# Altium PCB TimeDrive.PcbDoc (part 2 of 4) (continued)
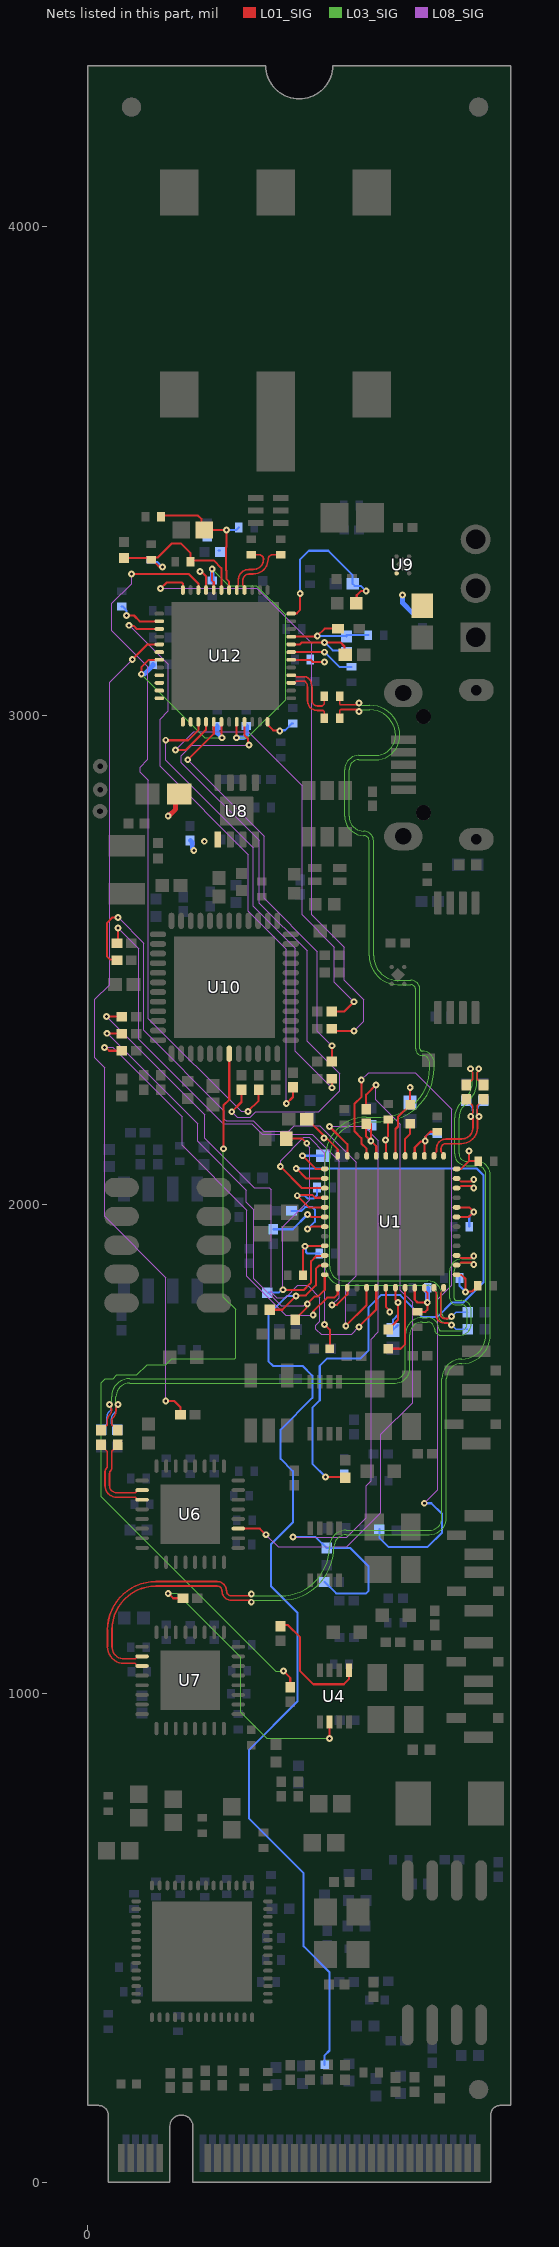
[diagram p10: the nets of this part, all layers, seen from the top]
## Part data (continued)
U9: library part CMP-07128-000018-1, "LDO 700 MA ULTRA-LOW NOI", Dropout Voltage=190mV, Manufacturer="ON Semiconductor", Max Junction Temp=+150°C, Max Supply Voltage=5.5V, Min Supply Voltage=1.9V, Nominal Supply Current=9.7uA, Output Current=700mA, Output Voltage=1.8V, Package=711AJ, Temperature="to +150°C", Accuracy Percentage=2%, Automotive=No, Category=IC, ComponentLink2Description=Datasheet, ComponentLink2URL=https://www.onsemi.com/pub/Collateral/NCP167-D.PDF, Device Class L1="Integrated Circuits (ICs)", Device Class L2="Power Management ICs", Device Class L3="Voltage Regulators - Linear", Digikey Description="LDO 700 MA ULTRA-LOW NOI", Footprint Url=https://www.onsemi.com/pub/Collateral/711AJ.PDF, Height=0.43mm, Lead Free=Yes, Manufacturer Part Number=NCP167AMX180TBG, Number Of Outputs=1, Octopart=https://octopart.com/ncp167amx330tbg-on+semiconductor-85869721, Output Type=Fixed, RoHS=TRUE, Standoff Height=0mm, Temperature Range High=+150°C
U10: library part CMP-06276-000052-1, "IC MCU 32BIT 256KB FLASH 48QFN", Case/Package=QFN, Frequency=48MHz, Max Operating Temperature=85°C, Min Operating Temperature=-40°C, Core Architecture=ARM, Interface=I2C, Memory Size=256KB, Memory Type=FLASH, Number of I/Os=38, Oscillator Type=Internal, Packaging=Tray, Peripherals="Brown-out Detect/Reset"
U11: library part CMP-2100-03583-1, "2-Kbit (256 x 8), 2-wire Serial EEPROM with a Factory-Programmed EUI-64(TM)Address Plus an Embedded Unique 128-bit Serial Number, 1.7 to 5.5 V, -40 to 85 degC, 5-Pin SOT23 (5TS1), Tape and Reel", Case/Package=SOT-23, Frequency=1MHz, Manufacturer=Atmel, Max Operating Temperature=85degC, Max Supply Voltage=5.5V, Min Operating Temperature=-40degC, Min Supply Voltage=1.7V, Nominal Supply Current=3mA, Package Description="5-Pin Plastic Thin Shrink Small Outline Package, Body 2.9 x 1.6 mm, Pitch 0.95 mm", Package Quantity=5000, Package Reference=5TS1, Datasheet URL=http://www.atmel.com/Images/Atmel-8807-SEEPROM-AT24MAC402-602-Datasheet.pdf, Datasheet Version="Rev. 8808E, 01/2015", Manufacturer URL=http://www.atmel.com/, Max Frequency=1MHz, Mount=SurfaceMount, Number of Pins=5, Packaging=TapeandReel, Radiation Hardening=No, RoHSCompliant=true
U13: library part CMP-2000-07459-1, "Multilayer Balun, 3000 to 8000 MHz, -40 to 85 degC, 6-Pin SMD, RoHS, Tape and Reel", Case Code (Imperial)=0805, Case Code (Metric)=2012, Manufacturer=TDK, Max Operating Temperature=85degC, Min Operating Temperature=-40degC, Package Description="6-Pin Surface Mount Device, Body 2 x 1.25 mm, Pitch 0.65 mm", Package Quantity=1, Case\/Package=0805, Datasheet URL=https://product.tdk.com/info/en/documents/data_sheet/rf_balun_hhm1595a1_en.pdf, Datasheet Version=04/2015, Impedance=100Ohm, Insertion Loss=1.5dB, Manufacturer URL=http://www.tdk.com/, Mounting Technology=SurfaceMount, Number of Pins=6, Package Reference=HHM1595A1, Packaging=TapeandReel, Radiation Hardening=No, RoHSCompliant=true, Termination=SMD/SMT
U15: library part CMP-0357-00138-1, "16 Mb (x1/x2) Serial NOR Flash Memory with Dual I/O, 75 MHz, 2.3 to 3.6 V, 8-pin SO8 Wide (MW), Tube", Manufacturer=Micron, Package="SO8 WideÂ", Voltage=2.3V-3.6VÂ, Applications=EmbeddedÂ, ComponentLink1Description="Manufacturer URL", ComponentLink1URL=http://www.micron.com/, ComponentLink2Description=Datasheet, ComponentLink2URL=http://www.micron.com/~/media/Documents/Products/Data%20Sheet/NOR%20Flash/Serial%20NOR/M25P/M25P16.pdf, ComponentLink3Description="Package Specification", ComponentLink3URL=http://www.micron.com/~/media/Documents/Products/Data%20Sheet/NOR%20Flash/Serial%20NOR/M25P/M25P16.pdf, DatasheetVersion="Rev. 8", Density=16MbÂ, Mounting Technology="Surface Mount", PackageDescription="8-Pin SO Wide, 5.62 X 6.05 mm, Pitch 1.27 mm", PackageReference=MICT-MW-8, PackageVersion="Rev 8", Part Family=M25PXÂ, Part Status=ProductionÂ, PartNumber=M25PX16-VMW6G, RoHS=YesÂ, Speed="75 MHzÂ", Type="Dual I/OÂ", Width=x1/x2Â
U16: library part CMP-10118-000002-1, "IC INTERFACE SPECIALIZED 8SO", Case/Package=SO, Low Level Output Current=6mA, Max Frequency=400kHz, Max Operating Temperature=85°C, Max Supply Current=65uA, Max Supply Voltage=5.5V, Min Operating Temperature=-40°C, Min Supply Voltage=2.3V, On-State Resistance=55R, Operating Supply Voltage=5V, Package Quantity=1, Power Dissipation=400mW, Contact Plating=Gold, Height=1.45mm, Interface=I2C, Lead Free="Lead Free", Length=5mm, Logic Function=Multiplexer, Mount="Surface Mount", Number of Input Lines=2, Number Of Inputs=2, Number of Output Lines=1, Number Of Outputs=1, Number of Pins=8, Packaging="Tape and Reel", Propagation Delay=0.3ns, Quiescent Current=65uA, Radiation Hardening=No, Weight=0.01787oz, Width=4mm
U20: library part CMP-0339-00059-2, "Dual In / Single Out Autoswitching Power Mux, 2.8 to 5.5 V, -40 to 85 degC, 8-pin TSSOP (PW), Green (RoHS & no Sb/Br)", IN1 Output Current(Max)(A)=0.75, IN1, IN2 Input Voltage(Max)(V)=5.5, IN1, IN2 Input Voltage(Min)(V)=2.8, Manufacturer="Texas Instruments", Code_JEDEC=MO-153, ComponentLink1Description=Datasheet, ComponentLink1URL=http://www.ti.com/general/docs/lit/getliterature.tsp?genericPartNumber=TPS2110A&fileType=pdf, DatasheetVersion=SBVS043A, Eco-Plan="Green (RoHS & no Sb/Br)", IN1 rDS(on)(Typ)(mOhm)=120, IN2 Output Current(Max)(A)=0.75, IN2 rDS(on)(Typ)(Ohms)=0.12, Mounting Technology="Surface Mount", Number Of Inputs=2, PackageDescription="8-Pin Plastic Thin Small Outline Package 3 x 4.4 mm Body ,0.65 mm Pitch", PackageReference=PW0008A, PackageVersion="revG, Feb-2011", PartNumber=TPS2110APWR, SubFamily="Power Multiplexer (MUX)"
Y1: library part CMP-06858-000005-1, "CRYSTAL 32.0000MHZ 10PF SMD", Case/Package=SMD/SMT, ESR (Equivalent Series Resistance)=100R, Frequency=32MHz, Frequency Stability=10ppm, Load Capacitance=10pF, Max Operating Temperature=70°C, Min Operating Temperature=-20°C, Package Quantity=3000, Contact Plating=Gold, Frequency Tolerance=10ppm, Height=0.022inch, Length=0.079inch, Mount="Surface Mount", Packaging="Tape and Reel", Series Resistance=100R, Termination=SMD/SMT, Tolerance=10ppm, Width=0.063inch
Y2: library part CMP-2000-05733-2, "CRYSTAL 25.0000MHZ 18PF SMD", Frequency=25MHz, Load Capacitance=18pF, Manufacturer=Abracon, Package=ABM8G, Temperature="-40°C to +85°C", Temperature Range High=+85°C, Temperature Range Low=-40°C, Tolerance=20ppm, Automotive=No, Category=Crys, ComponentLink2Description=Datasheet, ComponentLink2URL=https://abracon.com/Resonators/ABM8G.pdf, Device Class L1="Passive Components", Device Class L2="Crystals / Oscillators", Device Class L3=Crystals, Digikey Description="CRYSTAL 25.0000MHZ 18PF SMD", Esr=60Ω, Height=1mm, Lead Free=Yes, Manufacturer Part Number=ABM8G-25.000MHZ-18-D2Y-T, Mouser Description="Crystals 25.000MHz 18pF 30ppm -40C +85C", Octopart=https://octopart.com/abm8g-25.000mhz-18-d2y-t-abracon-12676602, RoHS=TRUE, Series=ABM8G, Stability=30ppm
Y3: library part CMP-0447-00001-3, "CRYSTAL 32.7680KHZ 12.5PF SMD", Case/Package=CSMD, ESR (Equivalent Series Resistance)=70kR, Frequency=32.768kHz, Frequency Tolerance=20ppm, Load Capacitance=12.5pF, Max Operating Temperature=85°C, Min Operating Temperature=-40°C, Operating Frequency="32.768 kHz", Package Quantity=3000, Depth=1.5mm, Height=0.035inch, Lead Free="Lead Free", Length=3.2mm, Number of Pins=2, Packaging="Tape and Reel", Radiation Hardening=No, REACH SVHC="No SVHC", RoHS Compliant=Yes, Series=ABS07, Series Resistance=70kR, Termination=SMD/SMT, Tolerance=20ppm, Width=0.061inch

## Free pads (board coordinates)
  round 30 hole 11.81: 2(25.48,2804.66) 3(25.8,2848.89) 4(25.8,2896.7)
  round 39.37 smd mask+9.84: FID1(90,4245) FID2(800,4245) FID3(800,190) FID3(800,190)
  round 39.37 smd far side mask+9.84: FID4(90,4245) FID5(800,4245) FID6(800,190)

## Via types
v1: diameter 14, hole 6, L01_SIG to L10_SIG, 458 vias
v2: diameter 19.68, hole 7.87, L01_SIG to L10_SIG, 103 vias
v3: diameter 23.62, hole 11.81, L01_SIG to L10_SIG, 25 vias
v4: diameter 14, hole 5.9, L01_SIG to L10_SIG, 19 vias

## Nets (pads, with @x,y where several pads share a name; then routed paths per layer and width w, separated by ;. In a path a pad name is that pad's centre, name@x,y a point inside that pad or via, vN(x,y) a via of type N, cw(c..) or ccw(c..) an arc to the next point about the centre after c; other vN are vias at no path point)
1PPS_0_P: R41.2 U12.29 | length 1727.9
  L01_SIG w4.25: v1(91.6,3115) 122.57,3145.97 U12.29@146.9,3145.97 ; v1(160.05,1598.15) 177.85,1598.15 190.24,1585.76 R41.2@190.24,1570
  L08_SIG w2.2: v1(91.6,3115) 45,3068.4 45,2450 15,2420 15,2300 35,2280 35,1976 160.05,1850.95 v1(160.05,1598.15)
1PPS_2_P: R28.1 U6.19 | length 1327.6
  L01_SIG w4.25: U6.19@308.43,1337.4 352.6,1337.4 v1(365,1325) ; R28.1@570,2194.76 570,2225 v1(590,2245)
  L08_SIG w2.2: v1(365,1325) 390,1300 530,1300 600,1370 600,1530 665,1595 665,1800 640,1825 640,2165 590,2215 v1(590,2245)
1PPS_3_P: R47.2 U4.2 | length 587
  L01_SIG w4.25: v1(165,1205) 175,1195 R47.2@195.24,1195 ; U4.2@495.16,941.85 v1(495.24,908.1) v1(495.24,908.1)
  L03_SIG w2.2: v1(165,1205) 182,1205 313,1074 313,962 366.9,908.1 v1(495.24,908.1)
1PPS_4_P: R51.2 U4.5 | length 254.2
  L01_SIG w4.25: R51.2@394.68,1137.91 396.77,1140 410,1140 435,1115 435,1046 462,1019 524,1019 534.53,1029.53 U4.5@534.53,1048.15
1PPS_5_P: R53.2 U10.19 | length 1725.6
  L01_SIG w4.25: v1(278.07,2114.43) 278.07,2202.98 289.84,2214.75 U10.19@289.84,2308.86 ; v1(400.86,1046.01) 408.67,1038.2 414.68,1032.18 R53.2@414.68,1012.91
  L03_SIG w2.2: v1(278.07,2114.43) 278.07,1810.71 302.91,1785.87 302.91,1686.42 301.62,1685.13 172.16,1685.13 160.05,1673.02 121.64,1673.02 100.31,1651.69 60.19,1651.69 52.41,1643.91 36.16,1643.91 28.28,1636.03 28.28,1402.73 385,1046.01 v1(400.86,1046.01)
DPLL_9513_1PPS_0_N: R37.2 U6.3 | length 183.3
  L01_SIG w3.25: 37.97,1459.62 ccw(c43.34,1454.26) 35.75,1454.26 35.75,1425 ccw(c59.08,1425) 59.08,1401.67 97.52,1401.67 102.73,1396.46 U6.3@111.57,1396.46 ; 37.97,1459.63 ccw(c32.6,1464.99) 40.2,1464.99 40.2,1495.1 R37.2@28.27,1507.03 ; R37.2@28.27,1507.03 cw(c29.95,1508.71) R37.2@27.57,1508.71 27.57,1507.73 R37.2@28.27,1507.03
DPLL_9513_1PPS_0_P: R34.2 U6.2 | length 178.7
  L01_SIG w3.25: U6.2@111.57,1416.14 102.73,1416.14 97.52,1410.92 59.08,1410.92 cw(c59.08,1425) 45,1425 45,1450.42 cw(c52.59,1450.42) 47.22,1455.79 ccw(c41.85,1461.16) 49.45,1461.16 49.45,1490.98 49.56,1491.08 49.56,1495.73 R34.2@54.7,1500.88 ; R34.2@54.7,1500.88 62.07,1508.25 R34.2@62.07,1509.23 cw(c59.7,1509.23) 61.38,1507.55 R34.2@54.7,1500.88
DPLL_9513_1PPS_1_N: R138.2 U7.3 | length 2048.1
  L01_SIG w3.25: U7.3@111.5,1056.46 102.66,1056.46 97.44,1061.67 75,1061.67 cw(c75,1095.92) 40.75,1095.92 40.75,1130 cw(c140,1130) 140,1229.25 265,1229.25 cw(c265,1210) 284.25,1210 ccw(c294.25,1210) 294.25,1200 331.12,1200 ccw(c331.12,1203.88) v1(335,1203.88) ; R138.2@775,2244.76 cw(c777.23,2244.76) 775.65,2246.34 782.24,2252.93 cw(c784.59,2250.58) 784.59,2253.9 ccw(c784.62,2257.15) 786.92,2254.86 ccw(c784.62,2257.15) 787.88,2257.15 787.88,2270.5 785.29,2273.09 cw(c790.25,2278.05) v1(783.23,2278.05)
  L03_SIG w2.3: v1(335,1203.88) ccw(c338.77,1203.88) 335.1,1202.99 ccw(c338.77,1203.88) 338.77,1200.11 385.94,1200.11 395,1199.88 ccw(c395,1299.88) 495,1299.88 495,1300 cw(c529,1300) 529,1334 699,1334 ccw(c699,1360) 725,1360 725,1644 cw(c765,1644) 765,1684 ccw(c765,1734) 815,1734 815,2060 ccw(c795,2060) 795,2080 775,2080 cw(c775,2104) 751,2104 751,2177.52 cw(c795.61,2177.52) 751,2177.62 cw(c795.61,2177.52) 764.02,2209.02 cw(c795.61,2177.52) 764.07,2209.07 774.49,2219.49 ccw(c743.75,2250.24) 779.2,2225.07 ccw(c743.75,2250.24) 787.23,2250.24 787.23,2268.25 ccw(c780.4,2268.25) 785.23,2273.08 cw(c790.06,2277.9) 783.23,2277.9 v1(783.23,2278.05)
DPLL_9513_1PPS_1_P: R38.2 U7.2 | length 2032.5
  L01_SIG w3.25: U7.2@111.5,1076.14 102.66,1076.14 97.44,1070.92 75,1070.92 cw(c75,1095.92) 50,1095.92 50,1130 cw(c140,1130) 140,1220 265,1220 cw(c265,1210) 275,1210 ccw(c294.25,1210) 294.25,1190.75 331.12,1190.75 cw(c331.12,1186.88) v1(335,1186.88) ; 797.12,2270 797.12,2257.15 ccw(c800.38,2257.15) 798.08,2254.86 ccw(c800.38,2257.15) 800.38,2253.9 cw(c800.41,2250.58) 802.75,2252.93 809.35,2246.34 cw(c807.77,2244.76) R38.2@810,2244.76 ; 797.13,2270 ccw(c794.6,2272.53) 798.17,2272.53 798.17,2273.09 cw(c805.19,2273.09) v1(800.23,2278.05)
  L03_SIG w2.3: v1(335,1186.88) cw(c339,1186.88) 339,1190.88 395,1190.88 ccw(c395,1299.88) 504,1299.88 504,1300 cw(c529,1300) 529,1325 699,1325 ccw(c699,1360) 734,1360 734,1644 cw(c765,1644) 765,1675 ccw(c765,1734) 824,1734 824,2060 ccw(c795,2060) 795,2089 775,2089 cw(c775,2104) 760,2104 760,2177.49 cw(c795.68,2177.49) 770.43,2202.7 780.9,2213.17 ccw(c743.89,2250.18) 783.94,2216.49 ccw(c743.89,2250.18) 796.23,2250.18 796.23,2268.25 cw(c803.06,2268.25) 798.23,2273.08 ccw(c793.4,2277.9) 800.23,2277.9 v1(800.23,2278.05)
DPLL_CSB: R64.1 U1.5 | length 1137.1
  L01_SIG w4.25: v1(39.07,2384.64) 70.19,2384.64 R64.1@70.24,2384.68 ; v1(555,1750) 590.47,1785.47 U1.5@590.47,1830.16
  L08_SIG w2.2: v1(39.07,2384.64) 240,2183.71 240,2136.13 341.13,2035 371.31,2035 376.21,2030.1 376.21,1821.18 387.39,1810 405,1810 430,1835 450,1835 475,1810 475,1761.37 467.29,1753.66 467.29,1745.25 477.55,1735 540,1735 v1(555,1750)
DPLL_LDO0: C15.2 C17.1 U1.7 | length 170.3
  L01_SIG w4.25: C15.2@615,1744.68 635,1764.68 v1(635,1800) 629.84,1805.16 U1.7@629.84,1830.16
  L10_SIG w4.25: C17.1@635,1753.84 C17.1@625,1743.84 625,1765 635,1775 v1(635,1800)
DPLL_LDO1: C16.2 C18.1 U1.30 | length 183.8
  L01_SIG w4.25: U1.30@629.84,2099.84 629.84,2154.84 635,2160 635,2179.68 C16.2@660,2204.68 v1(660,2240)
  L10_SIG w4.25: C18.1@660,2208.84 v1(660,2240)
DPLL_LF0: C15.1 U1.8 | length 154
  L01_SIG w4.25: C15.1@615,1705.32 640.32,1705.32 649.53,1714.53 U1.8@649.53,1830.16
DPLL_LF1: C16.1 U1.29 | length 69.8
  L01_SIG w4.25: U1.29@649.53,2099.84 649.53,2134.53 660,2145 C16.1@660,2165.32
DPLL_M0: R28.2 R29.2 U1.32 | length 145.5
  L01_SIG w4.25: R28.2@570,2165.24 570,2139.47 v1(579.45,2130) ; R28.2@575.86,2165.24 580,2165.24 580,2130 590.47,2119.53 U1.32@590.47,2099.84
  L10_SIG w4.25: v1(579.45,2130) 579.45,2161.73 R29.2@580,2162.28
DPLL_M1: R20.1 U1.33 | length 1471.3
  L01_SIG w4.25: v1(560,2255) 560,2220 546.03,2206.03 546.03,2150 560,2136.03 560,2125 570.79,2114.21 U1.33@570.79,2099.84
  L08_SIG w2.2: v1(560,2255) 575,2270 670,2270 745,2195 745,1835 716.8,1806.8 716.8,1417.29 v1(688.84,1389.32)
  L10_SIG w4.25: R20.1@596.78,1336.03 596.78,1318.57 615.35,1300 695.67,1300 725,1329.33 725,1367.52 703.2,1389.32 v1(688.84,1389.32)
DPLL_M2: R16.1 R19.2 U1.35 | length 1467.2
  L01_SIG w4.25: v1(495,2160) 531.42,2123.58 U1.35@531.42,2099.84
  L08_SIG w2.2: v1(420,1320) 530,1320 570,1360 570,1425 580,1435 580,1725 595,1740 595,2130.82 565.82,2160 v1(495,2160)
  L10_SIG w4.25: v1(420,1320) 466.69,1320 R16.1@488.98,1297.72 537.28,1297.72 575,1260 575,1210 570,1205 508.61,1205 485.42,1228.19 R19.2@484.43,1228.19
DPLL_M3: R7.1 U1.36 | length 108.8
  L01_SIG w4.25: R7.1@444.69,2175 449.69,2175 481.65,2143.04 481.65,2138.35 v1(483.51,2136.49) ; v1(483.51,2136.49) 485.42,2134.62 490.38,2134.62 511.73,2113.27 U1.36@511.73,2099.84
DPLL_M4: R8.1 U1.37 | length 97.5
  L01_SIG w4.25: v1(440,2100) 466.73,2073.27 U1.37@485.16,2073.27
  L10_SIG w4.25: v1(440,2100) R8.1@481.3,2100
DPLL_M5: R66.1 U1.1 | length 890.6
  L01_SIG w4.25: v1(34.89,2321.75) 37.53,2321.75 44.44,2314.84 70.08,2314.84 R66.1@70.24,2314.68 ; v1(461.61,1774.24) 461.61,1781.61 490,1810 505,1810 511.73,1816.73 U1.1@511.73,1830.16
  L08_SIG w2.2: v1(34.89,2321.75) 51.77,2321.75 193.58,2179.94 193.58,2121.43 326.06,1988.94 326.06,1853.94 405.76,1774.24 v1(461.61,1774.24)
DPLL_OUT_0A_N: C26.2 R33.1 U1.12 | length 2037.1
  L01_SIG w3.25: C26.2@515.75,3040 515.75,3025.38 ccw(c519,3025.38) 516.7,3023.08 ccw(c519,3025.38) 519,3022.12 551.12,3022.12 ccw(c551.12,3026) v1(555,3026) ; U1.12@728.27,1830.16 728.27,1825.62 722.13,1819.49 722.13,1774.99 ccw(c730,1774.99) 730,1767.12 737.86,1767.12 741.74,1771 v1(744.65,1771)
  L03_SIG w2.3: v1(555,3026) ccw(c559.71,3026) 559.71,3021.29 577.71,3021.29 cw(c577.71,2960) 639,2960 cw(c589,2960) 589,2910 555,2910 ccw(c555,2890) 535,2890 535,2794 ccw(c565,2794) 565,2764 cw(c565,2744) 585,2744 585,2509 ccw(c635,2509) 635,2459 661,2459 cw(c661,2440) 680,2440 680,2319 ccw(c685,2319) 685,2314 cw(c685,2290) 709,2290 709,2279 cw(c600,2279) 600,2170 570,2170 ccw(c570,2095) 495,2095 495,1874 ccw(c525,1874) 525,1844 696,1844 cw(c696,1815) 725,1815 725,1777 ccw(c735,1777) 735,1767 740.65,1767 ccw(c740.65,1771) v1(744.65,1771)
  L10_SIG w3.25: v1(744.65,1771) 753.65,1780 R33.1@777.28,1780
DPLL_OUT_0A_P: C25.2 R32.2 U1.11 | length 2050
  L01_SIG w3.25: C25.2@515.75,2995 515.75,3009.62 cw(c519,3009.62) 516.7,3011.92 cw(c519,3009.62) 519,3012.88 551.12,3012.88 cw(c551.12,3009) v1(555,3009) ; U1.11@708.58,1830.16 708.58,1825.42 712.88,1821.12 712.88,1774.99 ccw(c730,1774.99) 730,1757.88 737.86,1757.88 741.74,1754 v1(744.65,1754)
  L03_SIG w2.3: v1(555,3009) cw(c558.29,3009) 558.29,3012.29 577.71,3012.29 cw(c577.71,2960) 630,2960 cw(c589,2960) 589,2919 555,2919 ccw(c555,2890) 526,2890 526,2794 ccw(c565,2794) 565,2755 cw(c565,2744) 576,2744 576,2509 ccw(c635,2509) 635,2450 661,2450 cw(c661,2440) 671,2440 671,2319 ccw(c685,2319) 685,2305 cw(c685,2290) 700,2290 700,2279 cw(c600,2279) 600,2179 570,2179 ccw(c570,2095) 486,2095 486,1874 ccw(c525,1874) 525,1835 696,1835 cw(c696,1815) 716,1815 716,1777 ccw(c735,1777) 735,1758 740.65,1758 cw(c740.65,1754) v1(744.65,1754)
  L10_SIG w3.25: v1(744.65,1754) 753.65,1745 R32.2@777.28,1745
DPLL_OUT_0B_N: R36.1 R37.1 U1.15 | length 1252.4
  L01_SIG w3.25: R37.1@27.57,1538.24 cw(c29.95,1538.24) 28.27,1539.92 34.95,1546.6 cw(c36.99,1544.55) 36.99,1547.44 ccw(c36.99,1550.33) 39.03,1548.29 ccw(c36.48,1550.84) 40.09,1550.84 40.09,1558.22 cw(c56.69,1558.22) 44.95,1569.95 45.47,1570.47 ccw(c37.09,1578.86) 48.95,1578.86 48.95,1581.77 ccw(c42.33,1581.77) 47.01,1586.45 cw(c51.69,1591.13) 45.07,1591.13 v1(45.07,1591.29) ; U1.15@754.84,1896.1 757.78,1896.1 763,1890.88 786.12,1890.88 v1(790,1894.76)
  L03_SIG w2.3: v1(45.07,1591.29) ccw(c45.07,1595.29) 49.07,1595.29 49.07,1607.04 cw(c86.03,1607.04) 86.03,1644 629,1644 ccw(c629,1665) 650,1665 650,1734 cw(c685,1734) 685,1769 695,1769 cw(c695,1745) 719,1745 ccw(c721.73,1745) 721.73,1742.27 762.56,1742.27 ccw(c762.56,1756.02) 776.31,1756.02 776.31,1783.93 ccw(c765.24,1783.93) 765.24,1795 755,1795 cw(c755,1809) 741,1809 741,1865 cw(c765,1865) 765,1889 784.24,1889 ccw(c784.24,1894.76) v1(790,1894.76)
  L10_SIG w3.25: R36.1@27.75,1539.81 36.95,1549.01 ccw(c36.95,1551.3) 38.56,1549.68 38.85,1549.97 ccw(c36.55,1552.26) 39.8,1552.26 39.8,1553.61 ; 39.78,1553.63 39.78,1565.67 cw(c55.43,1565.67) 44.36,1576.74 47.82,1580.2 ccw(c45.1,1582.92) 48.95,1582.92 ccw(c45.1,1582.92) 47.82,1585.63 47.13,1586.33 cw(c52.09,1591.29) v1(45.07,1591.29)
DPLL_OUT_0B_P: R34.1 R35.2 U1.14 | length 1230.3
  L01_SIG w3.25: 49.39,1553.29 49.34,1553.24 49.34,1551.25 ccw(c52.69,1551.25) 50.32,1548.88 ccw(c52.55,1551.11) 52.55,1547.96 cw(c52.55,1544.81) R34.1@54.77,1547.04 ; 49.45,1553.24 49.45,1558.41 cw(c56.59,1558.41) 51.54,1563.46 52.07,1563.98 ccw(c37.26,1578.79) 58.2,1578.79 58.2,1581.77 cw(c64.81,1581.77) 60.13,1586.45 ccw(c55.46,1591.13) 62.07,1591.13 v1(62.07,1591.29) ; R34.1@54.78,1547.04 61.38,1540.44 cw(c59.7,1538.76) R34.1@62.07,1538.76 ; U1.14@754.84,1876.42 757.78,1876.42 763,1881.63 786.12,1881.63 v1(790,1877.76)
  L03_SIG w2.3: v1(62.07,1591.29) cw(c62.07,1595.29) 58.07,1595.29 58.07,1607.04 cw(c86.03,1607.04) 86.03,1635 629,1635 ccw(c629,1665) 659,1665 659,1734 cw(c685,1734) 685,1760 695,1760 cw(c695,1745) 710,1745 ccw(c721.73,1745) 721.73,1733.27 762.56,1733.27 ccw(c762.56,1756.02) 785.31,1756.02 785.31,1783.93 ccw(c765.24,1783.93) 765.24,1804 755,1804 cw(c755,1809) 750,1809 750,1865 cw(c765,1865) 765,1880 787.76,1880 cw(c787.76,1877.76) v1(790,1877.76)
  L10_SIG w3.25: v1@60.13,1586.45 ccw(c64.81,1581.77) 58.2,1581.77 58.2,1581 cw(c49.72,1581) 55.72,1575.01 53.61,1572.91 ccw(c64.68,1561.84) 49.03,1561.84 49.03,1557.47 49.05,1552.6 ccw(c53.37,1552.6) 50.32,1549.54 ccw(c51.85,1551.08) 51.85,1548.9 R35.2@61.06,1539.7
DPLL_OUT_1A_N: R40.1 R138.1 U1.26 | length 220.1
  L01_SIG w3.25: U1.26@708.58,2099.84 708.58,2102.78 713.8,2108 713.8,2115 cw(c733.05,2115) 733.05,2134.25 765,2134.25 ccw(c765,2157.67) 788.42,2157.67 788.42,2175.36 ccw(c783.78,2175.36) v1(783.78,2180) ccw(c774.43,2189.36) 787.66,2189.36 787.66,2200 ccw(c781.43,2200) 785.83,2204.4 R138.1@775,2215.24
  L10_SIG w3.25: R40.1@775,2212.28 780.85,2206.43 cw(c764.42,2190) 787.66,2190 787.66,2189.36 cw(c774.43,2189.36) v1(783.78,2180)
DPLL_OUT_1A_P: R38.1 R39.2 U1.25 | length 219.5
  L01_SIG w3.25: U1.25@728.27,2099.84 728.27,2102.78 723.05,2108 723.05,2115 cw(c733.05,2115) 733.05,2125 765,2125 ccw(c765,2157.67) 797.67,2157.67 797.67,2176.89 cw(c800.78,2176.89) v1(800.78,2180) cw(c810.14,2189.36) 796.91,2189.36 796.91,2200 cw(c802.08,2200) 798.42,2203.65 R38.1@810,2215.24
  L10_SIG w3.25: v1(800.78,2180) cw(c810.14,2189.36) 796.91,2189.36 796.91,2190 cw(c820.32,2190) 803.76,2206.55 R39.2@809.56,2212.35
DPLL_OUT_1B_N: U1.23 | length 39.5
  L01_SIG w3.25: U1.23@754.84,2052.6 757.78,2052.6 763,2047.38 786.12,2047.38 ccw(c786.12,2051.26) v1(790,2051.26)
DPLL_OUT_1B_P: U1.22 | length 39.5
  L01_SIG w3.25: U1.22@754.84,2032.91 757.78,2032.91 763,2038.13 786.12,2038.13 cw(c786.12,2034.26) v1(790,2034.26)
DPLL_REFA: R30.2 R31.2 U1.47 | length 2041.1
  L01_SIG w4.25: R31.2@372.72,1785 398.25,1785 v1(426.68,1813.42) 427.88,1814.63 446.63,1814.63 467,1835 467,1869 473.43,1875.43 U1.47@485.16,1875.43
  L10_SIG w4.25: v1(426.68,1813.42) 408.42,1813.42 370,1775 370,1680 380,1670 440,1670 460,1650 460,1605 395,1540 395,1480 420,1455 420,1350 375,1305 375,1220 429.29,1165.71 429.29,983.7 330,884.42 330,745 441.59,633.41 441.59,552.92 442.12,552.39 442.12,482.88 495,430 495,270 485,260 R30.2@485,240.75
DPLL_REFAA: R139.1 R140.2 U1.46 | length 545.5
  L01_SIG w4.25: v1(399.7,1826.04) 400.19,1825.55 442.38,1825.55 454.79,1837.96 454.85,1837.96 457.34,1840.45 457.34,1884.34 468.12,1895.12 U1.46@485.16,1895.12 ; R139.1@406.65,2135 438.93,2135 448.33,2125.59 v1(448.43,2125.59)
  L08_SIG w2.2: v1(399.7,1826.04) 399.7,1954.7 455,2010 455,2116.09 448.43,2122.66 v1(448.43,2125.59)
  L10_SIG w4.25: R140.2@367.72,1820 391.02,1820 397.06,1826.04 v1(399.7,1826.04)
DPLL_REFB: R23.1 R25.2 U1.38 | length 1495.2
  L01_SIG w3.25: v1(486.91,1443.03) 525.62,1443.03 R23.1@527.03,1441.62
  L01_SIG w4.25: v1(426.78,2074.32) 447.51,2053.58 U1.38@485.16,2053.58
  L10_SIG w3.25: v1(486.91,1443.03) 518.78,1443.03 R25.2@525,1449.25
  L10_SIG w4.25: v1(426.78,2074.32) 795.68,2074.32 810,2060 810,1841.25 768.75,1800 745,1800 715,1770 685,1770 640,1815 600,1815 575,1790 575,1702.49 557.51,1685 489.66,1685 475,1670.34 475,1600 460,1585 460,1469.94 v1(486.91,1443.03)
DPLL_REFBB: R27.1 U1.39 | length 649
  L01_SIG w4.25: v1(394.26,2078.31) 438.66,2033.9 U1.39@485.16,2033.9 ; v1(485,1755) 495.75,1744.25 R27.1@495.75,1705
  L08_SIG w2.2: v1(394.26,2078.31) 395.03,2079.08 395.03,2090.03 442.39,2137.39 453,2137.39 485.02,2105.38 v1(485,1755)
DPLL_RESETB: R12.1 R65.1 U1.48 | length 911
  L01_SIG w4.25: v1(40.01,2350.52) 69.4,2350.52 R65.1@70.24,2349.68 ; R12.1@425,1764.76 425,1765.75 447.66,1788.41 447.66,1795.27 464.82,1812.43 471.73,1812.43 485.16,1825.86 U1.48@485.16,1855.75
  L08_SIG w2.2: v1(40.01,2350.52) 225,2165.54 225,2130 325,2030 325,2005 340,1990 340,1848.7 395.82,1792.88 442.34,1792.88 446.59,1797.13 v1(449.53,1797.13)
DPLL_SCLK: R59.1 U1.2 | length 1144.7
  L01_SIG w4.25: R59.1@60.24,2535 62.01,2536.77 v1(62.01,2566.03) ; v1(500,1795) 510,1795 531.42,1816.42 U1.2@531.42,1830.16
  L08_SIG w2.2: v1(62.01,2566.03) 105,2523.04 105,2338.15 278.07,2165.08 336.22,2165.08 357.45,2143.85 459.78,2143.85 515,2088.63 515,1810 v1(500,1795)
DPLL_SDIO: R63.1 U1.4 | length 1376.9
  L01_SIG w4.25: R63.1@60.24,2499.02 57.53,2501.72 45.52,2501.72 40,2507.24 40,2576.42 51.16,2587.58 v1(62.58,2587.58) ; v1(528.24,1752.12) 570.79,1794.67 U1.4@570.79,1829.17
  L08_SIG w2.2: v1(62.58,2587.58) 115,2535.16 115,2356.3 280,2191.3 280,2174.92 283.69,2171.23 338.77,2171.23 360,2150 411.61,2150 423.18,2161.57 474.79,2161.57 550,2086.37 550,1855 528.24,1833.24 v1(528.24,1752.12)
DPLL_VDD: C1.2 C2.2 C3.2 C6.2 C7.1 C8.2 C9.1 C10.1 C11.1 C12.2 C13.2 C14.2 C130.1 C131.1 U1.6 U1.9 U1.10 U1.13 U1.19 U1.20 U1.24 U1.27 U1.28 U1.31 U1.40 U1.41 U1.45 U8.1 | length 1139.1
  L01_SIG w4.25: C3.2@440.75,1855.32 440.75,1908.11 445,1912.36 v1(445,1915) 445.39,1915.39 484.76,1915.39 U1.45@485.16,1915.79 ; U1.41@485.16,1994.53 452.81,1994.53 v1(428.94,2018.4) 430.55,2020 460,2020 465.79,2014.21 U1.40@485.16,2014.21 ; v1(609.61,2132.17) 609.61,2134.81 v1@610,2135.2 ; U1.6@610.16,1829.17 610.16,1791.32 618.1,1783.38 v1(618.1,1780.74) ; U1.31@610.16,2099.84 610.16,2132.17 610,2132.17 v1@610,2135.2 ; C11.1@615,2174.25 615,2140.2 v1@610,2135.2 ; U1.9@669.21,1830.16 669.21,1805.79 675,1800 v1(695,1800) ; U1.28@669.21,2098.86 669.21,2117.05 681.34,2129.17 689.87,2129.17 v1(690.81,2130.12) ; C8.2@675,1780.75 690.75,1780.75 695,1785 v1(695,1800) ; U1.10@688.9,1830.16 688.9,1825.69 695,1819.59 v1(695,1800) ; U1.27@688.9,2098.86 688.9,2125.57 688.94,2125.61 688.94,2128.16 688.9,2128.2 v1(690.81,2130.12) ; C9.1@715,2149.25 714.85,2149.11 701.27,2149.11 691.75,2139.59 691.75,2131.06 v1(690.81,2130.12) ; U1.13@754.85,1855.74 765.26,1855.74 773.12,1847.88 v1(773.12,1821.52) 773.68,1822.08 786.49,1822.08 790.56,1826.14 792.52,1826.14 798.27,1831.89 C12.2@798.27,1833.86 ; U1.19@754.84,1974.84 779.84,1974.84 v1(790,1985) 780.47,1994.53 U1.20@754.84,1994.53 ; U1.24@754.84,2072.28 755.84,2073.28 764.27,2073.28 780,2089.02 ; v1(780,2110) 780,2089.02 ; C7.1@799.25,2089.02 780,2089.02
  L01_SIG w10: v1(165,2795) 166.08,2795 180.05,2808.97 180.05,2832.48 C130.1@187.57,2840
  L10_SIG w4.25: v1(428.94,2018.4) 444.51,2018.4 449.99,2012.92 462.92,2012.92 469.25,2019.25 C1.2@469.25,2035 ; v1(445,1915) 446.87,1913.13 446.87,1903.13 450,1900 C2.2@474.25,1900 ; v1(690.81,2130.12) 691.75,2131.06 691.75,2139.59 696.42,2144.25 C10.1@715,2144.25 ; C13.2@760.75,1850 760.75,1833.89 v1(773.12,1821.52) ; C14.2@780.75,1955 780.75,1975.34 790,1984.59 v1(790,1985)
  L10_SIG w10: C131.1@210,2745.1 214.3,2740.8 214.3,2728.67 217.39,2725.57 v1(217.39,2724.49) ; v1(695,1800) 695.37,1800.37 695.37,1829.63 C6.2@695.75,1830
  other v1: 238.88,2743.18
DPLL_XOA: R14.1 U1.42 | length 119.8
  L01_SIG w4.25: v1(450,1980) 452.64,1980 457.8,1974.84 U1.42@485.16,1974.84
  L10_SIG w4.25: R14.1@380,1949.76 419.76,1949.76 v1(450,1980)
DPLL_XOB: R15.2 U1.43 | length 136.6
  L01_SIG w4.25: v1(450,1950) 452.64,1950 457.8,1955.16 U1.43@485.16,1955.16
  L10_SIG w4.25: R15.2@417.2,1987.33 437.7,1987.33 445.37,1995 460,1995 465,1990 465,1965 v1(450,1950)
DW1000_38P4MHz_CLK_N: C26.1 U12.4 | length 134
  L01_SIG w3.25: U12.4@416.58,3082.98 423.45,3082.98 426.7,3079.73 445.07,3079.73 cw(c445.07,3070.64) 451.49,3077.07 451.57,3076.99 cw(c433.04,3058.45) 459.25,3058.45 459.25,3030.75 ccw(c470,3030.75) 470,3020 480,3020 484.25,3024.25 C26.1@484.25,3040
DW1000_38P4MHz_CLK_P: C25.1 U12.3 | length 131.1
  L01_SIG w3.25: U12.3@416.58,3067.23 423.45,3067.23 426.7,3070.48 445,3070.48 cw(c432.93,3058.41) 450,3058.41 450,3030.75 ccw(c470,3030.75) 470,3010.75 482.35,3010.75 484.25,3008.85 C25.1@484.25,2995
DW1000_CLKTUNE: C68.1 R91.1 U12.8 | length 185.7
  L01_SIG w4.25: U12.8@416.58,3145.97 434.62,3145.97 438.65,3150 v1(485,3150) 517.32,3150 525.64,3141.68 525.64,3126.96 R91.1@527.6,3125
  L10_SIG w4.25: v1(485,3150) 501.22,3133.78 524.35,3133.78 C68.1@530,3128.13
DW1000_EXTON: U12.21 | length 44.2
  L01_SIG w4.25: v1(230.22,3294.98) 232.59,3294.98 242.37,3285.21 U12.21@242.37,3257.19
DW1000_FORCEON: R71.1 U12.22 | length 1463.2
  L01_SIG w4.25: v1(90,3290) 207.05,3290 226.62,3270.43 U12.22@226.62,3257.19 ; v1(328.06,2190.76) 350,2212.7 R71.1@350,2234.92
  L08_SIG w2.2: v1(90,3290) 90,3269.98 50,3229.98 50,3173.75 123.5,3100.25 123.5,2910.65 107.88,2895.02 107.88,2884.98 124.24,2868.61 124.24,2380.76 314.24,2190.76 v1(328.06,2190.76)
DW1000_GPIO0: U12.38
DW1000_GPIO1: U12.37
DW1000_GPIO2: U12.36
DW1000_GPIO3: U12.35
DW1000_GPIO4: U12.34
DW1000_GPIO5: U12.33
DW1000_GPIO6: U12.30
DW1000_IRQ: R69.1 U12.45 | length 1319.2
  L01_SIG w4.25: v1(295,2190) 315,2210 R69.1@315,2234.92 ; U12.45@321.11,2987.5 321.11,2960.02 328.13,2953 328.13,2941.87 v1(330,2940)
  L08_SIG w2.2: v1(295,2190) 306.37,2178.63 333.08,2178.63 344.45,2190 473,2190 516,2233 516,2267.51 449,2334.51 449,2519 351,2617 351,2745 192,2904 192,2918.48 213.52,2940 v1(330,2940)
DW1000_P1V8: C79.1 C80.1 C135.1 C136.1 U9.1 U12.26 U12.48 | length 230.5
  L01_SIG w4.25: v1(80,3205) 95,3205 106.79,3193.21 U12.26@146.9,3193.21 ; U12.48@368.35,2987.5 368.35,2981.6 379.72,2970.23 391.38,2970.23 v1(393.1,2968.51)
  L10_SIG w4.25: C80.1@70,3223.5 71.97,3223.5 77.72,3217.76 77.72,3217.13 79.72,3215.13 79.72,3205.28 v1(80,3205) ; v1(393.1,2968.51) 394.96,2970.38 404.16,2970.38 418.03,2984.25 C79.1@420,2984.25
  L10_SIG w10: v1(644.37,3246.82) 644.37,3230.63 665.1,3209.9 C136.1@685,3209.9
DW1000_RF_N: C82.1 U12.17 | length 127.7
  L01_SIG w3.25: U12.17@305.36,3257.19 305.36,3264.06 308.61,3267.31 308.61,3273.83 308.61,3277.86 cw(c330,3277.86) 330,3299.25 339.25,3299.25 ccw(c339.25,3320) 360,3320 ccw(c350.75,3320) 350.75,3329.25 C82.1@335,3329.25
DW1000_RF_P: C83.1 U12.16 | length 128.5
  L01_SIG w3.25: U12.16@321.11,3257.19 321.11,3264.06 317.86,3267.31 317.86,3270 317.86,3277.86 cw(c330,3277.86) 330,3290 339.25,3290 ccw(c339.25,3320) 369.25,3320 cw(c378.5,3320) 378.5,3329.25 C83.1@395,3329.25
DW1000_RSTn: R74.1 U12.27 | length 1229.5
  L01_SIG w4.25: v1(85,3185) 86.2,3183.8 94.21,3183.8 100.55,3177.47 U12.27@146.9,3177.47 ; v1(406.6,2206.6) 420.3,2220.3 R74.1@420.3,2239.97
  L08_SIG w2.2: v1(85,3185) 165,3105 165,3010 148.37,2993.37 148.37,2896.63 329,2716 329,2600 406.6,2522.4 v1(406.6,2206.6)
DW1000_SPICLK: R76.1 U12.41 | length 839.1
  L01_SIG w4.25: v1(205,2910) 258.12,2963.12 U12.41@258.12,2987.5 ; R76.1@499.76,2292.87 500,2292.87 v1(500,2325)
  L08_SIG w2.2: v1(205,2910) 361,2754 361,2626.48 470,2517.48 470,2355 v1(500,2325)
DW1000_SPICSn: R77.1 U12.24 | length 1314
  L01_SIG w4.25: v1(149.1,3260.48) 150,3260.48 162.16,3272.64 192.63,3272.64 195.12,3270.15 U12.24@195.12,3257.19 ; R77.1@499.76,2360 504.76,2355 v1(545,2355)
  L08_SIG w2.2: v1(149.1,3260.48) 346.52,3260.48 459,3148 459,2593 525,2527 525,2459 565,2419 565,2375 v1(545,2355)
DW1000_SPIMISO: R78.1 U12.40 | length 954.9
  L01_SIG w4.25: v1(180,2930) 200.67,2930 242.37,2971.7 U12.40@242.37,2987.5 ; R78.1@499.76,2395 525,2395 v1(545,2415)
  L08_SIG w2.2: v1(180,2930) 217.12,2967.12 328.88,2967.12 439,2857 439,2593 505,2527 505,2455 v1(545,2415)
DW1000_SPIMOSI: R75.1 U12.39 | length 962.5
  L01_SIG w4.25: v1(160,2950) 205.91,2950 226.62,2970.71 U12.39@226.62,2987.5 ; R75.1@499.76,2257.87 500,2257.64 v1(500,2239.15)
  L08_SIG w2.2: v1(160,2950) 160,2909 339,2730 339,2610 425,2524 425,2314.15 v1(500,2239.15)
DW1000_VCOTUNE: C75.1 R92.1 U12.12 | length 351.8
  L01_SIG w4.25: U12.12@416.58,3208.96 417.13,3209.51 428.02,3209.51 435,3216.5 v1(435,3250) ; R92.1@549.68,3230 550.68,3231 550.68,3246.68 559,3255 v1(570,3255)
  L10_SIG w4.25: v1(435,3250) 435,3320 452.6,3337.6 492.4,3337.6 542.32,3287.68 C75.1@542.32,3270 546.52,3265.8 559.2,3265.8 v1(570,3255)
DW1000_VDDCLK: C66.2 C67.2 C68.2 U12.9 | length 210.9
  L01_SIG w4.25: U12.9@416.58,3161.72 470,3161.72 v1(470,3163.36) 484.94,3178.3 C66.2@512.32,3178.3
  L10_SIG w4.25: v1(470,3163.36) C68.2@530,3163.36 ; C68.2@530,3161.87 C68.2@530,3163.36 ; C67.2@574.25,3165 530,3165 C68.2@530,3163.36
DW1000_VDDDIG: C71.1 C72.1 U12.20 U12.44 | length 636.1
  L01_SIG w4.25: v1(255,3300) 255,3276.5 258.12,3273.38 U12.20@258.12,3257.19 ; v1(305,2955) 305,2987.5 U12.44@305.36,2987.5
  L03_SIG w2.2: v1(255,3300) 288.6,3266.4 345.6,3266.4 405,3207 405,3033 327,2955 v1(305,2955)
  L10_SIG w10: C71.1@255,3276.5 v1(255,3300) ; v1(305,2955) 319.14,2955 325,2960.86 C72.1@325,2979.25
DW1000_VDDIF: C60.2 U12.7 | length 136.1
  L01_SIG w4.25: U12.7@416.58,3130.22 485,3130.22 v1(485,3130)
  L10_SIG w4.25: v1(485,3130) 515,3100 C60.2@540,3100
DW1000_VDDIO: C69.1 C70.1 U12.31 U12.42 | length 372
  L01_SIG w4.25: v1(110,3085) 110,3099.17 125.3,3114.47 U12.31@146.9,3114.47 ; U12.42@273.86,2987.5 273.86,2955 v1(275,2955)
  L03_SIG w2.2: v1(110,3085) 240,2955 v1(275,2955)
  L10_SIG w10: v1(110,3085) 110.77,3085.77 116.99,3085.77 134.25,3103.03 C70.1@134.25,3105 ; C69.1@265,2979.25 265,2965 v1(275,2955)
DW1000_VDDMS: C59.2 U12.6 | length 101.6
  L01_SIG w4.25: U12.6@416.58,3114.47 456.27,3114.47 460.75,3110 v1(485,3110)
  L10_SIG w4.25: C59.2@455.75,3115 460.75,3110 v1(485,3110)
DW1000_VDDPA1: C55.1 C56.2 C57.1 C58.1 FB1.1 U12.18 | length 314.9
  L01_SIG w4.25: FB1.1@150.18,3406.79 150.18,3410 225,3410 233.28,3401.72 233.28,3385.37 C58.1@238.64,3380 v1(283.96,3380) 283.96,3345.51 283.45,3345 283.45,3297.29 284.03,3296.71 284.03,3279.95 289.61,3274.36 U12.18@289.61,3257.19
  L10_SIG w4.25: C56.2@268.21,3337.93 C56.2@271.14,3337.93 ; v1(283.96,3380) 304.25,3380 C55.1@309.25,3385
DW1000_VDDPA2: C62.1 C63.2 C65.1 FB2.1 U12.19 | length 350.5
  L01_SIG w4.25: C63.2@75,3322.72 126.54,3322.72 FB2.1@130,3319.25 ; v1(153.13,3303.99) 151.27,3305.86 145.36,3305.86 131.97,3319.25 FB2.1@130,3319.25 ; C62.1@210.75,3315 C62.1@210.75,3317.99 ; U12.19@273.86,3257.19 273.86,3301.92 257.8,3317.99 C62.1@210.75,3317.99 ; FB2.1@130,3319.25 134.48,3323.73 143.73,3323.73 172.72,3352.72 190.78,3352.72 210.75,3332.75 C62.1@210.75,3317.99
  L10_SIG w4.25: C65.1@130,3319.25 135.18,3314.07 143.05,3314.07 v1(153.13,3303.99)